# KiCad board panel_32x32_1515_r0.1.kicad_pcb (continued)
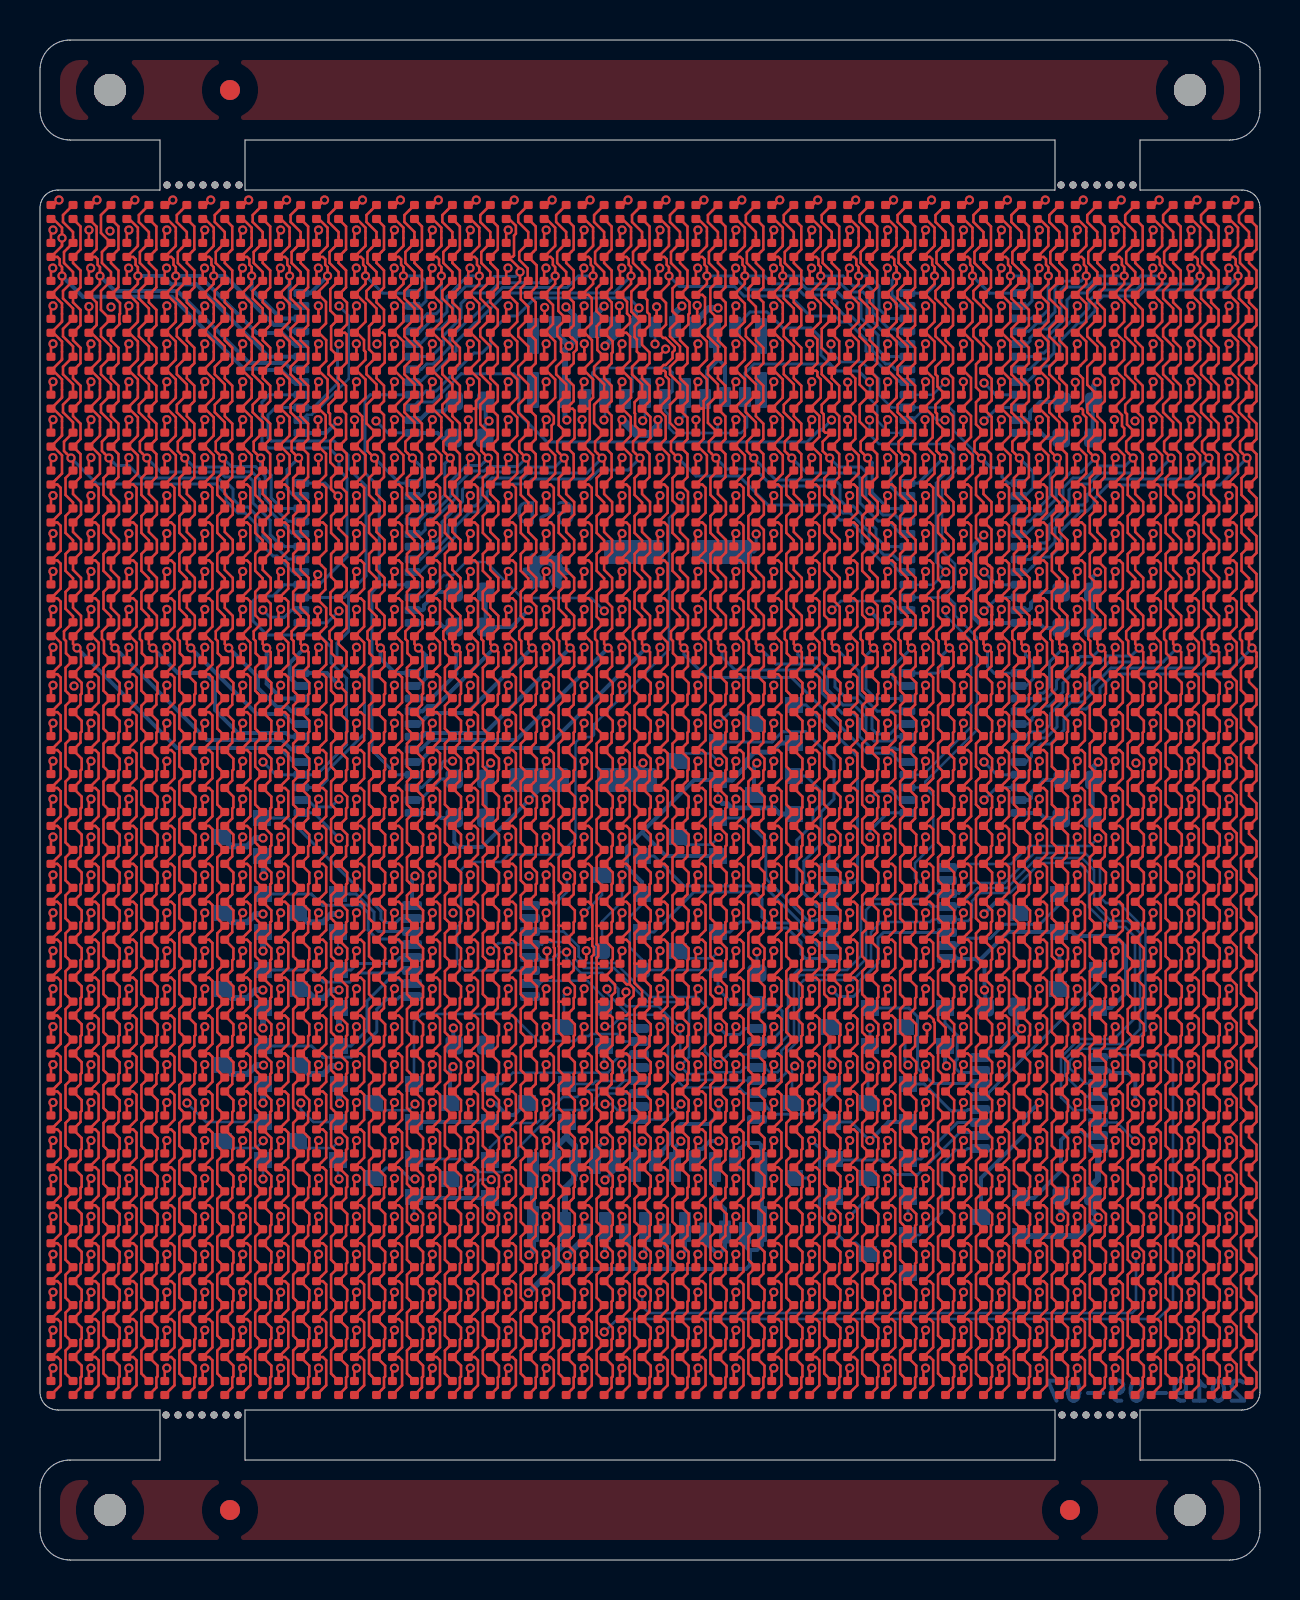
[diagram p0: board, top side]
## Placement (name value [footprint] x y rotation side) (continued)
D861  LED_ARGB  [led_rbag_1515_dense]  54.21 18.08 0 top
D862  LED_ARGB  [led_rbag_1515_dense]  56.11 18.08 0 top
D863  LED_ARGB  [led_rbag_1515_dense]  58 18.08 0 top
D864  LED_ARGB  [led_rbag_1515_dense]  59.9 18.08 0 top
D865  LED_ARGB  [led_rbag_1515_dense]  1.1 16.19 0 top
D866  LED_ARGB  [led_rbag_1515_dense]  3 16.19 0 top
D867  LED_ARGB  [led_rbag_1515_dense]  4.89 16.19 0 top
D868  LED_ARGB  [led_rbag_1515_dense]  6.79 16.19 0 top
D869  LED_ARGB  [led_rbag_1515_dense]  8.69 16.19 0 top
D870  LED_ARGB  [led_rbag_1515_dense]  10.58 16.19 0 top
D871  LED_ARGB  [led_rbag_1515_dense]  12.48 16.19 0 top
D872  LED_ARGB  [led_rbag_1515_dense]  14.38 16.19 0 top
D873  LED_ARGB  [led_rbag_1515_dense]  16.27 16.19 0 top
D874  LED_ARGB  [led_rbag_1515_dense]  18.17 16.19 0 top
D875  LED_ARGB  [led_rbag_1515_dense]  20.07 16.19 0 top
D876  LED_ARGB  [led_rbag_1515_dense]  21.96 16.19 0 top
D877  LED_ARGB  [led_rbag_1515_dense]  23.86 16.19 0 top
D878  LED_ARGB  [led_rbag_1515_dense]  25.76 16.19 0 top
D879  LED_ARGB  [led_rbag_1515_dense]  27.65 16.19 0 top
D880  LED_ARGB  [led_rbag_1515_dense]  29.55 16.19 0 top
D881  LED_ARGB  [led_rbag_1515_dense]  31.45 16.19 0 top
D882  LED_ARGB  [led_rbag_1515_dense]  33.35 16.19 0 top
D883  LED_ARGB  [led_rbag_1515_dense]  35.24 16.19 0 top
D884  LED_ARGB  [led_rbag_1515_dense]  37.14 16.19 0 top
D885  LED_ARGB  [led_rbag_1515_dense]  39.04 16.19 0 top
D886  LED_ARGB  [led_rbag_1515_dense]  40.93 16.19 0 top
D887  LED_ARGB  [led_rbag_1515_dense]  42.83 16.19 0 top
D888  LED_ARGB  [led_rbag_1515_dense]  44.73 16.19 0 top
D889  LED_ARGB  [led_rbag_1515_dense]  46.62 16.19 0 top
D890  LED_ARGB  [led_rbag_1515_dense]  48.52 16.19 0 top
D891  LED_ARGB  [led_rbag_1515_dense]  50.42 16.19 0 top
D892  LED_ARGB  [led_rbag_1515_dense]  52.31 16.19 0 top
D893  LED_ARGB  [led_rbag_1515_dense]  54.21 16.19 0 top
D894  LED_ARGB  [led_rbag_1515_dense]  56.11 16.19 0 top
D895  LED_ARGB  [led_rbag_1515_dense]  58 16.19 0 top
D896  LED_ARGB  [led_rbag_1515_dense]  59.9 16.19 0 top
D897  LED_ARGB  [led_rbag_1515_dense]  1.1 14.29 0 top
D898  LED_ARGB  [led_rbag_1515_dense]  3 14.29 0 top
D899  LED_ARGB  [led_rbag_1515_dense]  4.89 14.29 0 top
D900  LED_ARGB  [led_rbag_1515_dense]  6.79 14.29 0 top
D901  LED_ARGB  [led_rbag_1515_dense]  8.69 14.29 0 top
D902  LED_ARGB  [led_rbag_1515_dense]  10.58 14.29 0 top
D903  LED_ARGB  [led_rbag_1515_dense]  12.48 14.29 0 top
D904  LED_ARGB  [led_rbag_1515_dense]  14.38 14.29 0 top
D905  LED_ARGB  [led_rbag_1515_dense]  16.27 14.29 0 top
D906  LED_ARGB  [led_rbag_1515_dense]  18.17 14.29 0 top
D907  LED_ARGB  [led_rbag_1515_dense]  20.07 14.29 0 top
D908  LED_ARGB  [led_rbag_1515_dense]  21.96 14.29 0 top
D909  LED_ARGB  [led_rbag_1515_dense]  23.86 14.29 0 top
D910  LED_ARGB  [led_rbag_1515_dense]  25.76 14.29 0 top
D911  LED_ARGB  [led_rbag_1515_dense]  27.65 14.29 0 top
D912  LED_ARGB  [led_rbag_1515_dense]  29.55 14.29 0 top
D913  LED_ARGB  [led_rbag_1515_dense]  31.45 14.29 0 top
D914  LED_ARGB  [led_rbag_1515_dense]  33.35 14.29 0 top
D915  LED_ARGB  [led_rbag_1515_dense]  35.24 14.29 0 top
D916  LED_ARGB  [led_rbag_1515_dense]  37.14 14.29 0 top
D917  LED_ARGB  [led_rbag_1515_dense]  39.04 14.29 0 top
D918  LED_ARGB  [led_rbag_1515_dense]  40.93 14.29 0 top
D919  LED_ARGB  [led_rbag_1515_dense]  42.83 14.29 0 top
D920  LED_ARGB  [led_rbag_1515_dense]  44.73 14.29 0 top
D921  LED_ARGB  [led_rbag_1515_dense]  46.62 14.29 0 top
D922  LED_ARGB  [led_rbag_1515_dense]  48.52 14.29 0 top
D923  LED_ARGB  [led_rbag_1515_dense]  50.42 14.29 0 top
D924  LED_ARGB  [led_rbag_1515_dense]  52.31 14.29 0 top
D925  LED_ARGB  [led_rbag_1515_dense]  54.21 14.29 0 top
D926  LED_ARGB  [led_rbag_1515_dense]  56.11 14.29 0 top
D927  LED_ARGB  [led_rbag_1515_dense]  58 14.29 0 top
D928  LED_ARGB  [led_rbag_1515_dense]  59.9 14.29 0 top
D929  LED_ARGB  [led_rbag_1515_dense]  1.1 12.39 0 top
D930  LED_ARGB  [led_rbag_1515_dense]  3 12.39 0 top
D931  LED_ARGB  [led_rbag_1515_dense]  4.89 12.39 0 top
D932  LED_ARGB  [led_rbag_1515_dense]  6.79 12.39 0 top
D933  LED_ARGB  [led_rbag_1515_dense]  8.69 12.39 0 top
D934  LED_ARGB  [led_rbag_1515_dense]  10.58 12.39 0 top
D935  LED_ARGB  [led_rbag_1515_dense]  12.48 12.39 0 top
D936  LED_ARGB  [led_rbag_1515_dense]  14.38 12.39 0 top
D937  LED_ARGB  [led_rbag_1515_dense]  16.27 12.39 0 top
D938  LED_ARGB  [led_rbag_1515_dense]  18.17 12.39 0 top
D939  LED_ARGB  [led_rbag_1515_dense]  20.07 12.39 0 top
D940  LED_ARGB  [led_rbag_1515_dense]  21.96 12.39 0 top
D941  LED_ARGB  [led_rbag_1515_dense]  23.86 12.39 0 top
D942  LED_ARGB  [led_rbag_1515_dense]  25.76 12.39 0 top
D943  LED_ARGB  [led_rbag_1515_dense]  27.65 12.39 0 top
D944  LED_ARGB  [led_rbag_1515_dense]  29.55 12.39 0 top
D945  LED_ARGB  [led_rbag_1515_dense]  31.45 12.39 0 top
D946  LED_ARGB  [led_rbag_1515_dense]  33.35 12.39 0 top
D947  LED_ARGB  [led_rbag_1515_dense]  35.24 12.39 0 top
D948  LED_ARGB  [led_rbag_1515_dense]  37.14 12.39 0 top
D949  LED_ARGB  [led_rbag_1515_dense]  39.04 12.39 0 top
D950  LED_ARGB  [led_rbag_1515_dense]  40.93 12.39 0 top
D951  LED_ARGB  [led_rbag_1515_dense]  42.83 12.39 0 top
D952  LED_ARGB  [led_rbag_1515_dense]  44.73 12.39 0 top
D953  LED_ARGB  [led_rbag_1515_dense]  46.62 12.39 0 top
D954  LED_ARGB  [led_rbag_1515_dense]  48.52 12.39 0 top
D955  LED_ARGB  [led_rbag_1515_dense]  50.42 12.39 0 top
D956  LED_ARGB  [led_rbag_1515_dense]  52.31 12.39 0 top
D957  LED_ARGB  [led_rbag_1515_dense]  54.21 12.39 0 top
D958  LED_ARGB  [led_rbag_1515_dense]  56.11 12.39 0 top
D959  LED_ARGB  [led_rbag_1515_dense]  58 12.39 0 top
D960  LED_ARGB  [led_rbag_1515_dense]  59.9 12.39 0 top
D961  LED_ARGB  [led_rbag_1515_dense]  1.1 10.5 0 top
D962  LED_ARGB  [led_rbag_1515_dense]  3 10.5 0 top
D963  LED_ARGB  [led_rbag_1515_dense]  4.89 10.5 0 top
D964  LED_ARGB  [led_rbag_1515_dense]  6.79 10.5 0 top
D965  LED_ARGB  [led_rbag_1515_dense]  8.69 10.5 0 top
D966  LED_ARGB  [led_rbag_1515_dense]  10.58 10.5 0 top
D967  LED_ARGB  [led_rbag_1515_dense]  12.48 10.5 0 top
D968  LED_ARGB  [led_rbag_1515_dense]  14.38 10.5 0 top
D969  LED_ARGB  [led_rbag_1515_dense]  16.27 10.5 0 top
D970  LED_ARGB  [led_rbag_1515_dense]  18.17 10.5 0 top
D971  LED_ARGB  [led_rbag_1515_dense]  20.07 10.5 0 top
D972  LED_ARGB  [led_rbag_1515_dense]  21.96 10.5 0 top
D973  LED_ARGB  [led_rbag_1515_dense]  23.86 10.5 0 top
D974  LED_ARGB  [led_rbag_1515_dense]  25.76 10.5 0 top
D975  LED_ARGB  [led_rbag_1515_dense]  27.65 10.5 0 top
D976  LED_ARGB  [led_rbag_1515_dense]  29.55 10.5 0 top
D977  LED_ARGB  [led_rbag_1515_dense]  31.45 10.5 0 top
D978  LED_ARGB  [led_rbag_1515_dense]  33.35 10.5 0 top
D979  LED_ARGB  [led_rbag_1515_dense]  35.24 10.5 0 top
D980  LED_ARGB  [led_rbag_1515_dense]  37.14 10.5 0 top
D981  LED_ARGB  [led_rbag_1515_dense]  39.04 10.5 0 top
D982  LED_ARGB  [led_rbag_1515_dense]  40.93 10.5 0 top
D983  LED_ARGB  [led_rbag_1515_dense]  42.83 10.5 0 top
D984  LED_ARGB  [led_rbag_1515_dense]  44.73 10.5 0 top
D985  LED_ARGB  [led_rbag_1515_dense]  46.62 10.5 0 top
D986  LED_ARGB  [led_rbag_1515_dense]  48.52 10.5 0 top
D987  LED_ARGB  [led_rbag_1515_dense]  50.42 10.5 0 top
D988  LED_ARGB  [led_rbag_1515_dense]  52.31 10.5 0 top
D989  LED_ARGB  [led_rbag_1515_dense]  54.21 10.5 0 top
D990  LED_ARGB  [led_rbag_1515_dense]  56.11 10.5 0 top
D991  LED_ARGB  [led_rbag_1515_dense]  58 10.5 0 top
D992  LED_ARGB  [led_rbag_1515_dense]  59.9 10.5 0 top
D993  LED_ARGB  [led_rbag_1515_dense]  1.1 8.6 0 top
D994  LED_ARGB  [led_rbag_1515_dense]  3 8.6 0 top
D995  LED_ARGB  [led_rbag_1515_dense]  4.89 8.6 0 top
D996  LED_ARGB  [led_rbag_1515_dense]  6.79 8.6 0 top
D997  LED_ARGB  [led_rbag_1515_dense]  8.69 8.6 0 top
D998  LED_ARGB  [led_rbag_1515_dense]  10.58 8.6 0 top
D999  LED_ARGB  [led_rbag_1515_dense]  12.48 8.6 0 top
D1000  LED_ARGB  [led_rbag_1515_dense]  14.38 8.6 0 top
D1001  LED_ARGB  [led_rbag_1515_dense]  16.27 8.6 0 top
D1002  LED_ARGB  [led_rbag_1515_dense]  18.17 8.6 0 top
D1003  LED_ARGB  [led_rbag_1515_dense]  20.07 8.6 0 top
D1004  LED_ARGB  [led_rbag_1515_dense]  21.96 8.6 0 top
D1005  LED_ARGB  [led_rbag_1515_dense]  23.86 8.6 0 top
D1006  LED_ARGB  [led_rbag_1515_dense]  25.76 8.6 0 top
D1007  LED_ARGB  [led_rbag_1515_dense]  27.65 8.6 0 top
D1008  LED_ARGB  [led_rbag_1515_dense]  29.55 8.6 0 top
D1009  LED_ARGB  [led_rbag_1515_dense]  31.45 8.6 0 top
D1010  LED_ARGB  [led_rbag_1515_dense]  33.35 8.6 0 top
D1011  LED_ARGB  [led_rbag_1515_dense]  35.24 8.6 0 top
D1012  LED_ARGB  [led_rbag_1515_dense]  37.14 8.6 0 top
D1013  LED_ARGB  [led_rbag_1515_dense]  39.04 8.6 0 top
D1014  LED_ARGB  [led_rbag_1515_dense]  40.93 8.6 0 top
D1015  LED_ARGB  [led_rbag_1515_dense]  42.83 8.6 0 top
D1016  LED_ARGB  [led_rbag_1515_dense]  44.73 8.6 0 top
D1017  LED_ARGB  [led_rbag_1515_dense]  46.62 8.6 0 top
D1018  LED_ARGB  [led_rbag_1515_dense]  48.52 8.6 0 top
D1019  LED_ARGB  [led_rbag_1515_dense]  50.42 8.6 0 top
D1020  LED_ARGB  [led_rbag_1515_dense]  52.31 8.6 0 top
D1021  LED_ARGB  [led_rbag_1515_dense]  54.21 8.6 0 top
D1022  LED_ARGB  [led_rbag_1515_dense]  56.11 8.6 0 top
D1023  LED_ARGB  [led_rbag_1515_dense]  58 8.6 0 top
D1024  LED_ARGB  [led_rbag_1515_dense]  59.9 8.6 0 top
G***  LOGO  [oshw_small]  25.3 49.52 180 bottom
G***#2  LOGO  [gsd_logo_small]  25.29 52.28 180 bottom
G***#3  LOGO  [artwork_32x32_1515]  30.4 38.17 180 bottom
J1  Conn_01x20_Shielded  [FH12-20S-0.5SVA(54)#2]  30.5 59.85 0 bottom
J2  Conn_01x20_Shielded  [FH12-20S-0.5SVA(54)]  30.5 18.15 0 bottom
NOREF  -  [MountingHole_2.1mm]  6.35 68.75 0 top
NOREF#2  -  [MountingHole_2.1mm#2]  3.5 73.5 0 top
NOREF#3  -  [MountingHole_2.1mm]  6.95 68.75 0 top
NOREF#4  -  [MountingHole_2.1mm]  7.55 68.75 0 top
NOREF#5  -  [MountingHole_2.1mm]  8.15 68.75 0 top
NOREF#6  -  [MountingHole_2.1mm]  8.75 68.75 0 top
NOREF#7  -  [MountingHole_2.1mm]  9.35 68.75 0 top
NOREF#8  -  [MountingHole_2.1mm]  9.95 68.75 0 top
NOREF#9  -  [MountingHole_2.1mm]  54.05 68.75 0 top
NOREF#10  -  [MountingHole_2.1mm]  54.65 68.75 0 top
NOREF#11  -  [MountingHole_2.1mm]  51.05 68.75 0 top
NOREF#12  -  [MountingHole_2.1mm]  52.85 68.75 0 top
NOREF#13  -  [MountingHole_2.1mm]  53.45 68.75 0 top
NOREF#14  -  [MountingHole_2.1mm]  51.65 68.75 0 top
NOREF#15  -  [MountingHole_2.1mm]  52.25 68.75 0 top
NOREF#16  -  [MountingHole_2.1mm]  9.3 7.25 0 top
NOREF#17  -  [MountingHole_2.1mm]  9.9 7.25 0 top
NOREF#18  -  [MountingHole_2.1mm]  6.3 7.25 0 top
NOREF#19  -  [MountingHole_2.1mm]  8.1 7.25 0 top
NOREF#20  -  [MountingHole_2.1mm]  8.7 7.25 0 top
NOREF#21  -  [MountingHole_2.1mm]  6.9 7.25 0 top
NOREF#22  -  [MountingHole_2.1mm]  7.5 7.25 0 top
NOREF#23  -  [MountingHole_2.1mm]  54.7 7.25 0 top
NOREF#24  -  [MountingHole_2.1mm]  51.7 7.25 0 top
NOREF#25  -  [MountingHole_2.1mm]  53.5 7.25 0 top
NOREF#26  -  [MountingHole_2.1mm]  52.9 7.25 0 top
NOREF#27  -  [MountingHole_2.1mm]  54.1 7.25 0 top
NOREF#28  -  [MountingHole_2.1mm]  52.3 7.25 0 top
NOREF#29  -  [MountingHole_2.1mm]  51.1 7.25 0 top
NOREF#30  -  [MountingHole_2.1mm#2]  57.5 73.5 0 top
NOREF#31  -  [MountingHole_2.1mm#2]  57.5 2.5 0 top
NOREF#32  -  [MountingHole_2.1mm#2]  3.5 2.5 0 top
Q1  3412  [SOT-23#2]  27.2 26.65 180 bottom
Q2  3412  [SOT-23]  10.15 24.75 180 bottom
Q3  3412  [SOT-23]  13.95 24.75 180 bottom
Q4  3412  [SOT-23]  10.15 28.55 180 bottom
Q5  3412  [SOT-23]  13.95 28.55 180 bottom
Q6  3412  [SOT-23]  10.15 32.35 180 bottom
Q7  3412  [SOT-23]  13.9 32.35 180 bottom
Q8  3412  [SOT-23]  10.1 36.15 180 bottom
Q9  3412  [SOT-23]  38.6 22.85 180 bottom
Q10  3412  [SOT-23]  10.15 20.95 180 bottom
Q11  3412  [SOT-23]  13.9 20.95 180 bottom
Q12  3412  [SOT-23]  17.7 19.1 180 bottom
Q13  3412  [SOT-23]  21.5 19.05 180 bottom
Q14  3412  [SOT-23]  25.35 22.85 180 bottom
Q15  3412  [SOT-23]  21.5 22.85 180 bottom
Q16  3412  [SOT-23]  17.7 22.85 180 bottom
Q17  3412  [SOT-23]  49.95 32.35 180 bottom
Q18  3412  [SOT-23]  32.9 30.45 180 bottom
Q19  3412  [SOT-23#3]  29.1 30.45 180 bottom
Q20  3412  [SOT-23]  29.1 34.25 180 bottom
Q21  3412  [SOT-23]  32.9 36.15 180 bottom
Q22  3412  [SOT-23]  36.7 38.25 180 bottom
Q23  3412  [SOT-23]  32.9 39.95 180 bottom
Q24  3412  [SOT-23]  36.7 41.8 180 bottom
Q25  3412  [SOT-23]  48.05 17.15 180 bottom
Q26  3412  [SOT-23]  42.4 15.3 180 bottom
Q27  3412  [SOT-23]  38.7 19.1 180 bottom
Q28  3412  [SOT-23]  42.4 19.1 180 bottom
Q29  3412  [SOT-23]  42.4 22.85 180 bottom
Q30  3412  [SOT-23]  51.9 28.55 180 bottom
Q31  3412  [SOT-23]  40.5 26.65 180 bottom
Q32  3412  [SOT-23]  44.25 26.65 180 bottom
R1  R  [R_0603_1608Metric]  21.5 39.05 0 bottom
R2  R  [R_0603_1608Metric]  51.9 39 0 bottom
R3  R  [R_0603_1608Metric]  21.5 48.4 0 bottom
R4  R  [R_0603_1608Metric]  51.85 48.4 0 bottom
R5  R  [R_0603_1608Metric]  21.5 57.95 0 bottom
R6  R  [R_0603_1608Metric]  51.9 57.9 0 bottom
REF**  -  [Fiducial_1mm_Mask2mm]  9.5 73.5 0 top
REF**#2  -  [Fiducial_1mm_Mask2mm]  9.5 2.5 180 top
REF**#3  -  [Fiducial_1mm_Mask2mm]  51.5 2.5 180 top
REF**#4  -  [Fiducial_1mm_Mask2mm]  9.5 73.5 0 bottom
REF**#5  -  [Fiducial_1mm_Mask2mm]  51.5 2.5 180 bottom
REF**#6  -  [Fiducial_1mm_Mask2mm]  9.5 2.5 180 bottom
U1  74HC595  [TSSOP-16_slim]  21.55 30.45 0 bottom
U2  74HC595  [TSSOP-16_slim]  32.9 24.3 0 bottom
U3  74HC595  [TSSOP-16_slim]  42.4 32.35 0 bottom
U4  74HC595  [TSSOP-16_slim]  49.95 22.85 0 bottom
U5  TLC59025  [SSOP-24_slim]  15.85 40.85 0 bottom
U6  TLC59025  [SSOP-24_slim]  46.15 40.85 0 bottom
U7  TLC59025  [SSOP-24_slim]  15.85 50.35 0 bottom
U8  TLC59025  [SSOP-24_slim]  46.15 50.35 0 bottom
U9  TLC59025  [SSOP-24_slim]  15.85 59.85 0 bottom
U10  TLC59025  [SSOP-24_slim]  46.15 59.85 0 bottom

## Footprints (pads in the part's own frame, mm; a bottom-side part is the same pattern mirrored in y, then rotated)
C_0603_1608Metric
  rrect 0.875x0.95 smd: 1(-0.787,0) 2(0.787,0)
CP_Elec_5x3.9
  rrect 3x1.2 smd: 1(-2.2,0) 2(2.2,0)
FH12-20S-0.5SVA(54)
  rrect 0.6x1.1 smd: 1(4.75,1.8) 14(-1.75,-1.8) 18(-3.75,-1.8) 20(-4.75,-1.8)
  rrect 0.6x1.05 smd: 2(4.25,-1.8) 5(2.75,1.8) 6(2.25,-1.8) 9(0.75,1.85) 10(0.25,-1.8) 13(-1.25,1.85) 17(-3.25,1.85)
  rrect 0.6x1.15 smd: 3(3.75,1.75)
  rrect 0.6x1.5 smd: 4(3.25,-1.5) 7(1.75,1.5) 8(1.25,-1.5) 11(-0.25,1.5) 12(-0.75,-1.5) 15(-2.25,1.5) 19(-4.25,1.5)
  rrect 0.6x1.2 smd: 16(-2.75,-1.75)
  rrect 0.6x1.8 smd: SH(-5.85,-1.35) SH(-5.85,1.35)
  rrect 0.63x1.8 smd: SH(5.55,-1.35)
  rrect 0.5x1.8 smd: SH(5.6,1.35)
FH12-20S-0.5SVA(54)#2
  rrect 0.6x1 smd: 1(4.75,1.7) 3(3.75,1.7) 5(2.75,1.8) 9(0.75,1.8) 13(-1.25,1.8) 17(-3.25,1.8)
  rrect 0.6x1.03 smd: 2(4.25,-1.8) 6(2.25,-1.8)
  rrect 0.6x1.5 smd: 4(3.25,-1.5) 7(1.75,1.5) 11(-0.25,1.5) 12(-0.75,-1.5) 15(-2.25,1.5) 19(-4.25,1.5)
  rrect 0.6x1.1 smd: 8(1.25,-1.8) 16(-2.75,-1.8) 18(-3.75,-1.8) 20(-4.75,-1.8)
  rrect 0.6x1.02 smd: 10(0.25,-1.8)
  rrect 0.6x1.05 smd: 14(-1.75,-1.8)
  rrect 0.6x1.8 smd: SH(-5.85,-1.35) SH(-5.85,1.35) SH(5.55,-1.35) SH(5.55,1.35)
Fiducial_1mm_Mask2mm
  round 1 smd: (0,0)
led_rbag_1515_dense
  rrect 0.443x0.406 smd: 1(-0.551,0.349) 2(0.551,0.349) 3(0.551,-0.349) 4(-0.551,-0.349)
MountingHole_2.1mm
  round 0.35 hole 0.35 unplated: (0,0)
MountingHole_2.1mm#2
  round 1.6 hole 1.6 unplated: (0,0)
R_0603_1608Metric
  rrect 0.875x0.95 smd: 1(-0.787,0) 2(0.787,0)
SOT-23
  rect 0.9x0.8 smd: 1(-1,0.95) 2(-1,-0.95) 3(1,0)
SOT-23#2
  rrect 0.8x0.8 smd: 1(-1,0.95)
  rect 0.9x0.8 smd: 2(-1,-0.95) 3(1,0)
SOT-23#3
  rect 0.9x0.8 smd: 1(-1,0.95)
  rrect 0.8x0.75 smd: 2(-1,-0.95)
  rrect 0.8x0.8 smd: 3(1,0)
SSOP-24_slim
  rrect 0.8x0.4 smd: 1(-2.78,3.493) 2(-2.78,2.857) 3(-2.78,2.223) 4(-2.78,1.587) 5(-2.78,0.953) 6(-2.78,0.318) 7(-2.78,-0.318) 8(-2.78,-0.953) 9(-2.78,-1.587) 10(-2.78,-2.223) 11(-2.78,-2.857) 12(-2.78,-3.493) 13(2.78,-3.493) 14(2.78,-2.857) 15(2.78,-2.223) 16(2.78,-1.587) 17(2.78,-0.953) 18(2.78,-0.318) 19(2.78,0.318) 20(2.78,0.953) 21(2.78,1.587) 22(2.78,2.223) 23(2.78,2.857) 24(2.78,3.493)
TSSOP-16_slim
  rrect 1x0.45 smd: 1(-2.95,2.275) 2(-2.95,1.625) 3(-2.95,0.975) 4(-2.95,0.325) 5(-2.95,-0.325) 6(-2.95,-0.975) 7(-2.95,-1.625) 8(-2.95,-2.275) 9(2.95,-2.275) 10(2.95,-1.625) 11(2.95,-0.975) 12(2.95,-0.325) 13(2.95,0.325) 14(2.95,0.975) 15(2.95,1.625) 16(2.95,2.275)

## Nets
GND: C1.2 C2.2 C3.2 C4.2 C5.2 C6.2 C7.2 C8.2 C9.2 C10.2 C11.2 C12.2 J1.1 J1.2 J1.9 J1.13 J1.17 J2.1 J2.2 J2.9 J2.13 J2.17 J2.SH R1.2 R2.2 R3.2 R4.2 R5.2 R6.2 U1.8 U2.8 U3.8 U4.8 U5.1 U6.1 U7.1 U8.1 U9.1 U10.1
/ledArray/B: J1.8 U9.2
/ledArray/BLANK: J1.12 J2.12 U5.21 U6.21 U7.21 U8.21 U9.21 U10.21
/ledArray/Bout: J2.8 U10.22
/ledArray/G: J1.6 U5.2
/ledArray/Gout: J2.6 U6.22
/ledArray/LATCH: J1.11 J2.11 U5.4 U6.4 U7.4 U8.4 U9.4 U10.4
/ledArray/R: J1.7 U7.2
/ledArray/Rout: J2.7 U8.22
/ledArray/ROWblank: J1.16 J2.16 U1.13 U2.13 U3.13 U4.13
/ledArray/ROWdat: J1.14 U1.14
/ledArray/ROWlatch: J1.15 J2.15 U1.12 U2.12 U3.12 U4.12
/ledArray/ROWout: J2.14 U4.9
/ledArray/SCLK: J1.10 J2.10 U1.11 U2.11 U3.11 U4.11 U5.3 U6.3 U7.3 U8.3 U9.3 U10.3
/ledArray/sheet5D7D53E6/COM: D257.1 D258.1 D259.1 D260.1 D261.1 D262.1 D263.1 D264.1 D265.1 D266.1 D267.1 D268.1 D269.1 D270.1 D271.1 D272.1 D273.1 D274.1 D275.1 D276.1 D277.1 D278.1 D279.1 D280.1 D281.1 D282.1 D283.1 D284.1 D285.1 D286.1 D287.1 D288.1 Q9.3
/ledArray/sheet5D7D53F6/COM: D289.1 D290.1 D291.1 D292.1 D293.1 D294.1 D295.1 D296.1 D297.1 D298.1 D299.1 D300.1 D301.1 D302.1 D303.1 D304.1 D305.1 D306.1 D307.1 D308.1 D309.1 D310.1 D311.1 D312.1 D313.1 D314.1 D315.1 D316.1 D317.1 D318.1 D319.1 D320.1 Q10.3
/ledArray/sheet5D7D542A/COM: D385.1 D386.1 D387.1 D388.1 D389.1 D390.1 D391.1 D392.1 D393.1 D394.1 D395.1 D396.1 D397.1 D398.1 D399.1 D400.1 D401.1 D402.1 D403.1 D404.1 D405.1 D406.1 D407.1 D408.1 D409.1 D410.1 D411.1 D412.1 D413.1 D414.1 D415.1 D416.1 Q13.3
/ledArray/sheet5D7D543A/COM: D417.1 D418.1 D419.1 D420.1 D421.1 D422.1 D423.1 D424.1 D425.1 D426.1 D427.1 D428.1 D429.1 D430.1 D431.1 D432.1 D433.1 D434.1 D435.1 D436.1 D437.1 D438.1 D439.1 D440.1 D441.1 D442.1 D443.1 D444.1 D445.1 D446.1 D447.1 D448.1 Q14.3
/ledArray/sheet5D7D544C/COM: D449.1 D450.1 D451.1 D452.1 D453.1 D454.1 D455.1 D456.1 D457.1 D458.1 D459.1 D460.1 D461.1 D462.1 D463.1 D464.1 D465.1 D466.1 D467.1 D468.1 D469.1 D470.1 D471.1 D472.1 D473.1 D474.1 D475.1 D476.1 D477.1 D478.1 D479.1 D480.1 Q15.3
/ledArray/sheet5D7D545C/COM: D481.1 D482.1 D483.1 D484.1 D485.1 D486.1 D487.1 D488.1 D489.1 D490.1 D491.1 D492.1 D493.1 D494.1 D495.1 D496.1 D497.1 D498.1 D499.1 D500.1 D501.1 D502.1 D503.1 D504.1 D505.1 D506.1 D507.1 D508.1 D509.1 D510.1 D511.1 D512.1 Q16.3
/ledArray/sheet5D7D5408/COM: D321.1 D322.1 D323.1 D324.1 D325.1 D326.1 D327.1 D328.1 D329.1 D330.1 D331.1 D332.1 D333.1 D334.1 D335.1 D336.1 D337.1 D338.1 D339.1 D340.1 D341.1 D342.1 D343.1 D344.1 D345.1 D346.1 D347.1 D348.1 D349.1 D350.1 D351.1 D352.1 Q11.3
/ledArray/sheet5D7D5419/COM: D353.1 D354.1 D355.1 D356.1 D357.1 D358.1 D359.1 D360.1 D361.1 D362.1 D363.1 D364.1 D365.1 D366.1 D367.1 D368.1 D369.1 D370.1 D371.1 D372.1 D373.1 D374.1 D375.1 D376.1 D377.1 D378.1 D379.1 D380.1 D381.1 D382.1 D383.1 D384.1 Q12.3
/ledArray/sheet5D7371BF/COM: D1.1 D2.1 D3.1 D4.1 D5.1 D6.1 D7.1 D8.1 D9.1 D10.1 D11.1 D12.1 D13.1 D14.1 D15.1 D16.1 D17.1 D18.1 D19.1 D20.1 D21.1 D22.1 D23.1 D24.1 D25.1 D26.1 D27.1 D28.1 D29.1 D30.1 D31.1 D32.1 Q1.3
/ledArray/sheet5D7371D0/COM: D33.1 D34.1 D35.1 D36.1 D37.1 D38.1 D39.1 D40.1 D41.1 D42.1 D43.1 D44.1 D45.1 D46.1 D47.1 D48.1 D49.1 D50.1 D51.1 D52.1 D53.1 D54.1 D55.1 D56.1 D57.1 D58.1 D59.1 D60.1 D61.1 D62.1 D63.1 D64.1 Q2.3
/ledArray/sheet5D7371E3/COM: D65.1 D66.1 D67.1 D68.1 D69.1 D70.1 D71.1 D72.1 D73.1 D74.1 D75.1 D76.1 D77.1 D78.1 D79.1 D80.1 D81.1 D82.1 D83.1 D84.1 D85.1 D86.1 D87.1 D88.1 D89.1 D90.1 D91.1 D92.1 D93.1 D94.1 D95.1 D96.1 Q3.3
/ledArray/sheet5D7371F5/COM: D97.1 D98.1 D99.1 D100.1 D101.1 D102.1 D103.1 D104.1 D105.1 D106.1 D107.1 D108.1 D109.1 D110.1 D111.1 D112.1 D113.1 D114.1 D115.1 D116.1 D117.1 D118.1 D119.1 D120.1 D121.1 D122.1 D123.1 D124.1 D125.1 D126.1 D127.1 D128.1 Q4.3
/ledArray/sheet5D7853C8/COM: D513.1 D514.1 D515.1 D516.1 D517.1 D518.1 D519.1 D520.1 D521.1 D522.1 D523.1 D524.1 D525.1 D526.1 D527.1 D528.1 D529.1 D530.1 D531.1 D532.1 D533.1 D534.1 D535.1 D536.1 D537.1 D538.1 D539.1 D540.1 D541.1 D542.1 D543.1 D544.1 Q17.3
/ledArray/sheet5D7853C9/COM: D545.1 D546.1 D547.1 D548.1 D549.1 D550.1 D551.1 D552.1 D553.1 D554.1 D555.1 D556.1 D557.1 D558.1 D559.1 D560.1 D561.1 D562.1 D563.1 D564.1 D565.1 D566.1 D567.1 D568.1 D569.1 D570.1 D571.1 D572.1 D573.1 D574.1 D575.1 D576.1 Q18.3
/ledArray/sheet5D7853CA/COM: D577.1 D578.1 D579.1 D580.1 D581.1 D582.1 D583.1 D584.1 D585.1 D586.1 D587.1 D588.1 D589.1 D590.1 D591.1 D592.1 D593.1 D594.1 D595.1 D596.1 D597.1 D598.1 D599.1 D600.1 D601.1 D602.1 D603.1 D604.1 D605.1 D606.1 D607.1 D608.1 Q19.3
/ledArray/sheet5D7853CB/COM: D609.1 D610.1 D611.1 D612.1 D613.1 D614.1 D615.1 D616.1 D617.1 D618.1 D619.1 D620.1 D621.1 D622.1 D623.1 D624.1 D625.1 D626.1 D627.1 D628.1 D629.1 D630.1 D631.1 D632.1 D633.1 D634.1 D635.1 D636.1 D637.1 D638.1 D639.1 D640.1 Q20.3
/ledArray/sheet5D7853CC/COM: D641.1 D642.1 D643.1 D644.1 D645.1 D646.1 D647.1 D648.1 D649.1 D650.1 D651.1 D652.1 D653.1 D654.1 D655.1 D656.1 D657.1 D658.1 D659.1 D660.1 D661.1 D662.1 D663.1 D664.1 D665.1 D666.1 D667.1 D668.1 D669.1 D670.1 D671.1 D672.1 Q21.3
/ledArray/sheet5D7853CD/COM: D673.1 D674.1 D675.1 D676.1 D677.1 D678.1 D679.1 D680.1 D681.1 D682.1 D683.1 D684.1 D685.1 D686.1 D687.1 D688.1 D689.1 D690.1 D691.1 D692.1 D693.1 D694.1 D695.1 D696.1 D697.1 D698.1 D699.1 D700.1 D701.1 D702.1 D703.1 D704.1 Q22.3
/ledArray/sheet5D7853CE/COM: D705.1 D706.1 D707.1 D708.1 D709.1 D710.1 D711.1 D712.1 D713.1 D714.1 D715.1 D716.1 D717.1 D718.1 D719.1 D720.1 D721.1 D722.1 D723.1 D724.1 D725.1 D726.1 D727.1 D728.1 D729.1 D730.1 D731.1 D732.1 D733.1 D734.1 D735.1 D736.1 Q23.3
/ledArray/sheet5D7853CF/COM: D737.1 D738.1 D739.1 D740.1 D741.1 D742.1 D743.1 D744.1 D745.1 D746.1 D747.1 D748.1 D749.1 D750.1 D751.1 D752.1 D753.1 D754.1 D755.1 D756.1 D757.1 D758.1 D759.1 D760.1 D761.1 D762.1 D763.1 D764.1 D765.1 D766.1 D767.1 D768.1 Q24.3
/ledArray/sheet5D7955BF/COM: D769.1 D770.1 D771.1 D772.1 D773.1 D774.1 D775.1 D776.1 D777.1 D778.1 D779.1 D780.1 D781.1 D782.1 D783.1 D784.1 D785.1 D786.1 D787.1 D788.1 D789.1 D790.1 D791.1 D792.1 D793.1 D794.1 D795.1 D796.1 D797.1 D798.1 D799.1 D800.1 Q25.3
/ledArray/sheet5D7955CE/COM: D801.1 D802.1 D803.1 D804.1 D805.1 D806.1 D807.1 D808.1 D809.1 D810.1 D811.1 D812.1 D813.1 D814.1 D815.1 D816.1 D817.1 D818.1 D819.1 D820.1 D821.1 D822.1 D823.1 D824.1 D825.1 D826.1 D827.1 D828.1 D829.1 D830.1 D831.1 D832.1 Q26.3
/ledArray/sheet5D7955E0/COM: D833.1 D834.1 D835.1 D836.1 D837.1 D838.1 D839.1 D840.1 D841.1 D842.1 D843.1 D844.1 D845.1 D846.1 D847.1 D848.1 D849.1 D850.1 D851.1 D852.1 D853.1 D854.1 D855.1 D856.1 D857.1 D858.1 D859.1 D860.1 D861.1 D862.1 D863.1 D864.1 Q27.3
/ledArray/sheet5D7955F1/COM: D865.1 D866.1 D867.1 D868.1 D869.1 D870.1 D871.1 D872.1 D873.1 D874.1 D875.1 D876.1 D877.1 D878.1 D879.1 D880.1 D881.1 D882.1 D883.1 D884.1 D885.1 D886.1 D887.1 D888.1 D889.1 D890.1 D891.1 D892.1 D893.1 D894.1 D895.1 D896.1 Q28.3
/ledArray/sheet5D73722B/COM: D193.1 D194.1 D195.1 D196.1 D197.1 D198.1 D199.1 D200.1 D201.1 D202.1 D203.1 D204.1 D205.1 D206.1 D207.1 D208.1 D209.1 D210.1 D211.1 D212.1 D213.1 D214.1 D215.1 D216.1 D217.1 D218.1 D219.1 D220.1 D221.1 D222.1 D223.1 D224.1 Q7.3
/ledArray/sheet5D73723C/COM: D225.1 D226.1 D227.1 D228.1 D229.1 D230.1 D231.1 D232.1 D233.1 D234.1 D235.1 D236.1 D237.1 D238.1 D239.1 D240.1 D241.1 D242.1 D243.1 D244.1 D245.1 D246.1 D247.1 D248.1 D249.1 D250.1 D251.1 D252.1 D253.1 D254.1 D255.1 D256.1 Q8.3
/ledArray/sheet5D737207/COM: D129.1 D130.1 D131.1 D132.1 D133.1 D134.1 D135.1 D136.1 D137.1 D138.1 D139.1 D140.1 D141.1 D142.1 D143.1 D144.1 D145.1 D146.1 D147.1 D148.1 D149.1 D150.1 D151.1 D152.1 D153.1 D154.1 D155.1 D156.1 D157.1 D158.1 D159.1 D160.1 Q5.3
/ledArray/sheet5D737218/COM: D161.1 D162.1 D163.1 D164.1 D165.1 D166.1 D167.1 D168.1 D169.1 D170.1 D171.1 D172.1 D173.1 D174.1 D175.1 D176.1 D177.1 D178.1 D179.1 D180.1 D181.1 D182.1 D183.1 D184.1 D185.1 D186.1 D187.1 D188.1 D189.1 D190.1 D191.1 D192.1 Q6.3
/ledArray/sheet5D795602/COM: D897.1 D898.1 D899.1 D900.1 D901.1 D902.1 D903.1 D904.1 D905.1 D906.1 D907.1 D908.1 D909.1 D910.1 D911.1 D912.1 D913.1 D914.1 D915.1 D916.1 D917.1 D918.1 D919.1 D920.1 D921.1 D922.1 D923.1 D924.1 D925.1 D926.1 D927.1 D928.1 Q29.3
/ledArray/sheet5D795612/COM: D929.1 D930.1 D931.1 D932.1 D933.1 D934.1 D935.1 D936.1 D937.1 D938.1 D939.1 D940.1 D941.1 D942.1 D943.1 D944.1 D945.1 D946.1 D947.1 D948.1 D949.1 D950.1 D951.1 D952.1 D953.1 D954.1 D955.1 D956.1 D957.1 D958.1 D959.1 D960.1 Q30.3
/ledArray/sheet5D795624/COM: D961.1 D962.1 D963.1 D964.1 D965.1 D966.1 D967.1 D968.1 D969.1 D970.1 D971.1 D972.1 D973.1 D974.1 D975.1 D976.1 D977.1 D978.1 D979.1 D980.1 D981.1 D982.1 D983.1 D984.1 D985.1 D986.1 D987.1 D988.1 D989.1 D990.1 D991.1 D992.1 Q31.3
/ledArray/sheet5D795634/COM: D993.1 D994.1 D995.1 D996.1 D997.1 D998.1 D999.1 D1000.1 D1001.1 D1002.1 D1003.1 D1004.1 D1005.1 D1006.1 D1007.1 D1008.1 D1009.1 D1010.1 D1011.1 D1012.1 D1013.1 D1014.1 D1015.1 D1016.1 D1017.1 D1018.1 D1019.1 D1020.1 D1021.1 D1022.1 D1023.1 D1024.1 Q32.3
COL_BA0: D1.4 D33.4 D65.4 D97.4 D129.4 D161.4 D193.4 D225.4 D257.4 D289.4 D321.4 D353.4 D385.4 D417.4 D449.4 D481.4 D513.4 D545.4 D577.4 D609.4 D641.4 D673.4 D705.4 D737.4 D769.4 D801.4 D833.4 D865.4 D897.4 D929.4 D961.4 D993.4 U9.5
COL_BA1: D2.4 D34.4 D66.4 D98.4 D130.4 D162.4 D194.4 D226.4 D258.4 D290.4 D322.4 D354.4 D386.4 D418.4 D450.4 D482.4 D514.4 D546.4 D578.4 D610.4 D642.4 D674.4 D706.4 D738.4 D770.4 D802.4 D834.4 D866.4 D898.4 D930.4 D962.4 D994.4 U9.6
COL_BA2: D3.4 D35.4 D67.4 D99.4 D131.4 D163.4 D195.4 D227.4 D259.4 D291.4 D323.4 D355.4 D387.4 D419.4 D451.4 D483.4 D515.4 D547.4 D579.4 D611.4 D643.4 D675.4 D707.4 D739.4 D771.4 D803.4 D835.4 D867.4 D899.4 D931.4 D963.4 D995.4 U9.7
COL_BA3: D4.4 D36.4 D68.4 D100.4 D132.4 D164.4 D196.4 D228.4 D260.4 D292.4 D324.4 D356.4 D388.4 D420.4 D452.4 D484.4 D516.4 D548.4 D580.4 D612.4 D644.4 D676.4 D708.4 D740.4 D772.4 D804.4 D836.4 D868.4 D900.4 D932.4 D964.4 D996.4 U9.8